# Altium PCB jetson-orin-baseboard.PcbDoc (part 1 of 4)
Units mm, origin at the board's own origin, x right, y up, seen from the top; angles counter-clockwise.
Board outline 120 x 60 mm, 8 copper layers (F.Cu, In1.Cu, In2.Cu, In3.Cu, In4.Cu, In5.Cu, In6.Cu, B.Cu); 670 components, 640 nets, 2806 pads, 0 vias.
Unrouted connection lines stored in the file: 1646.
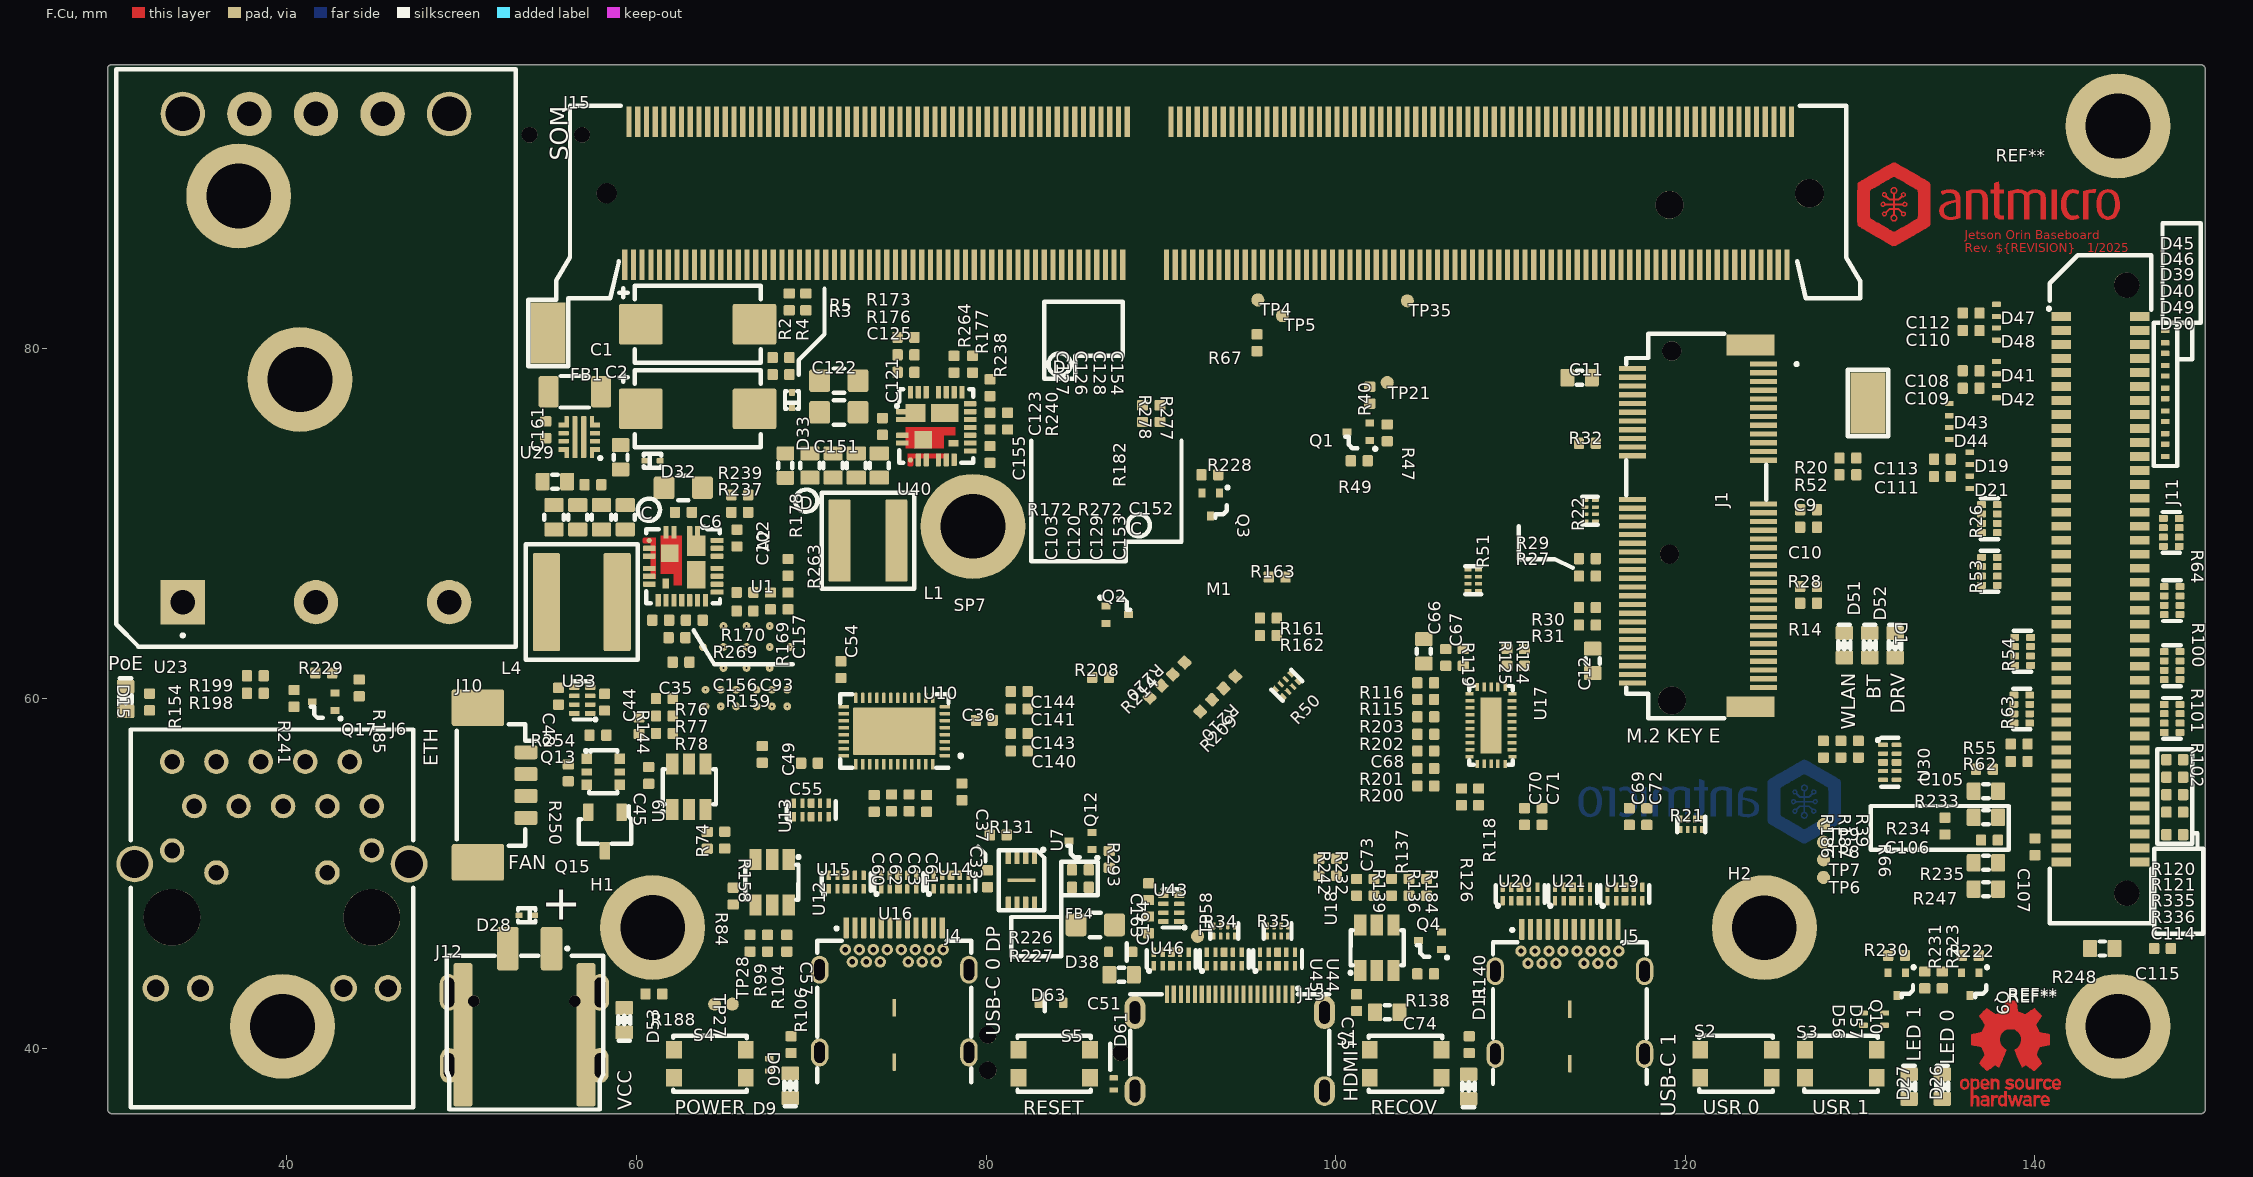
[diagram p0: F.Cu view]
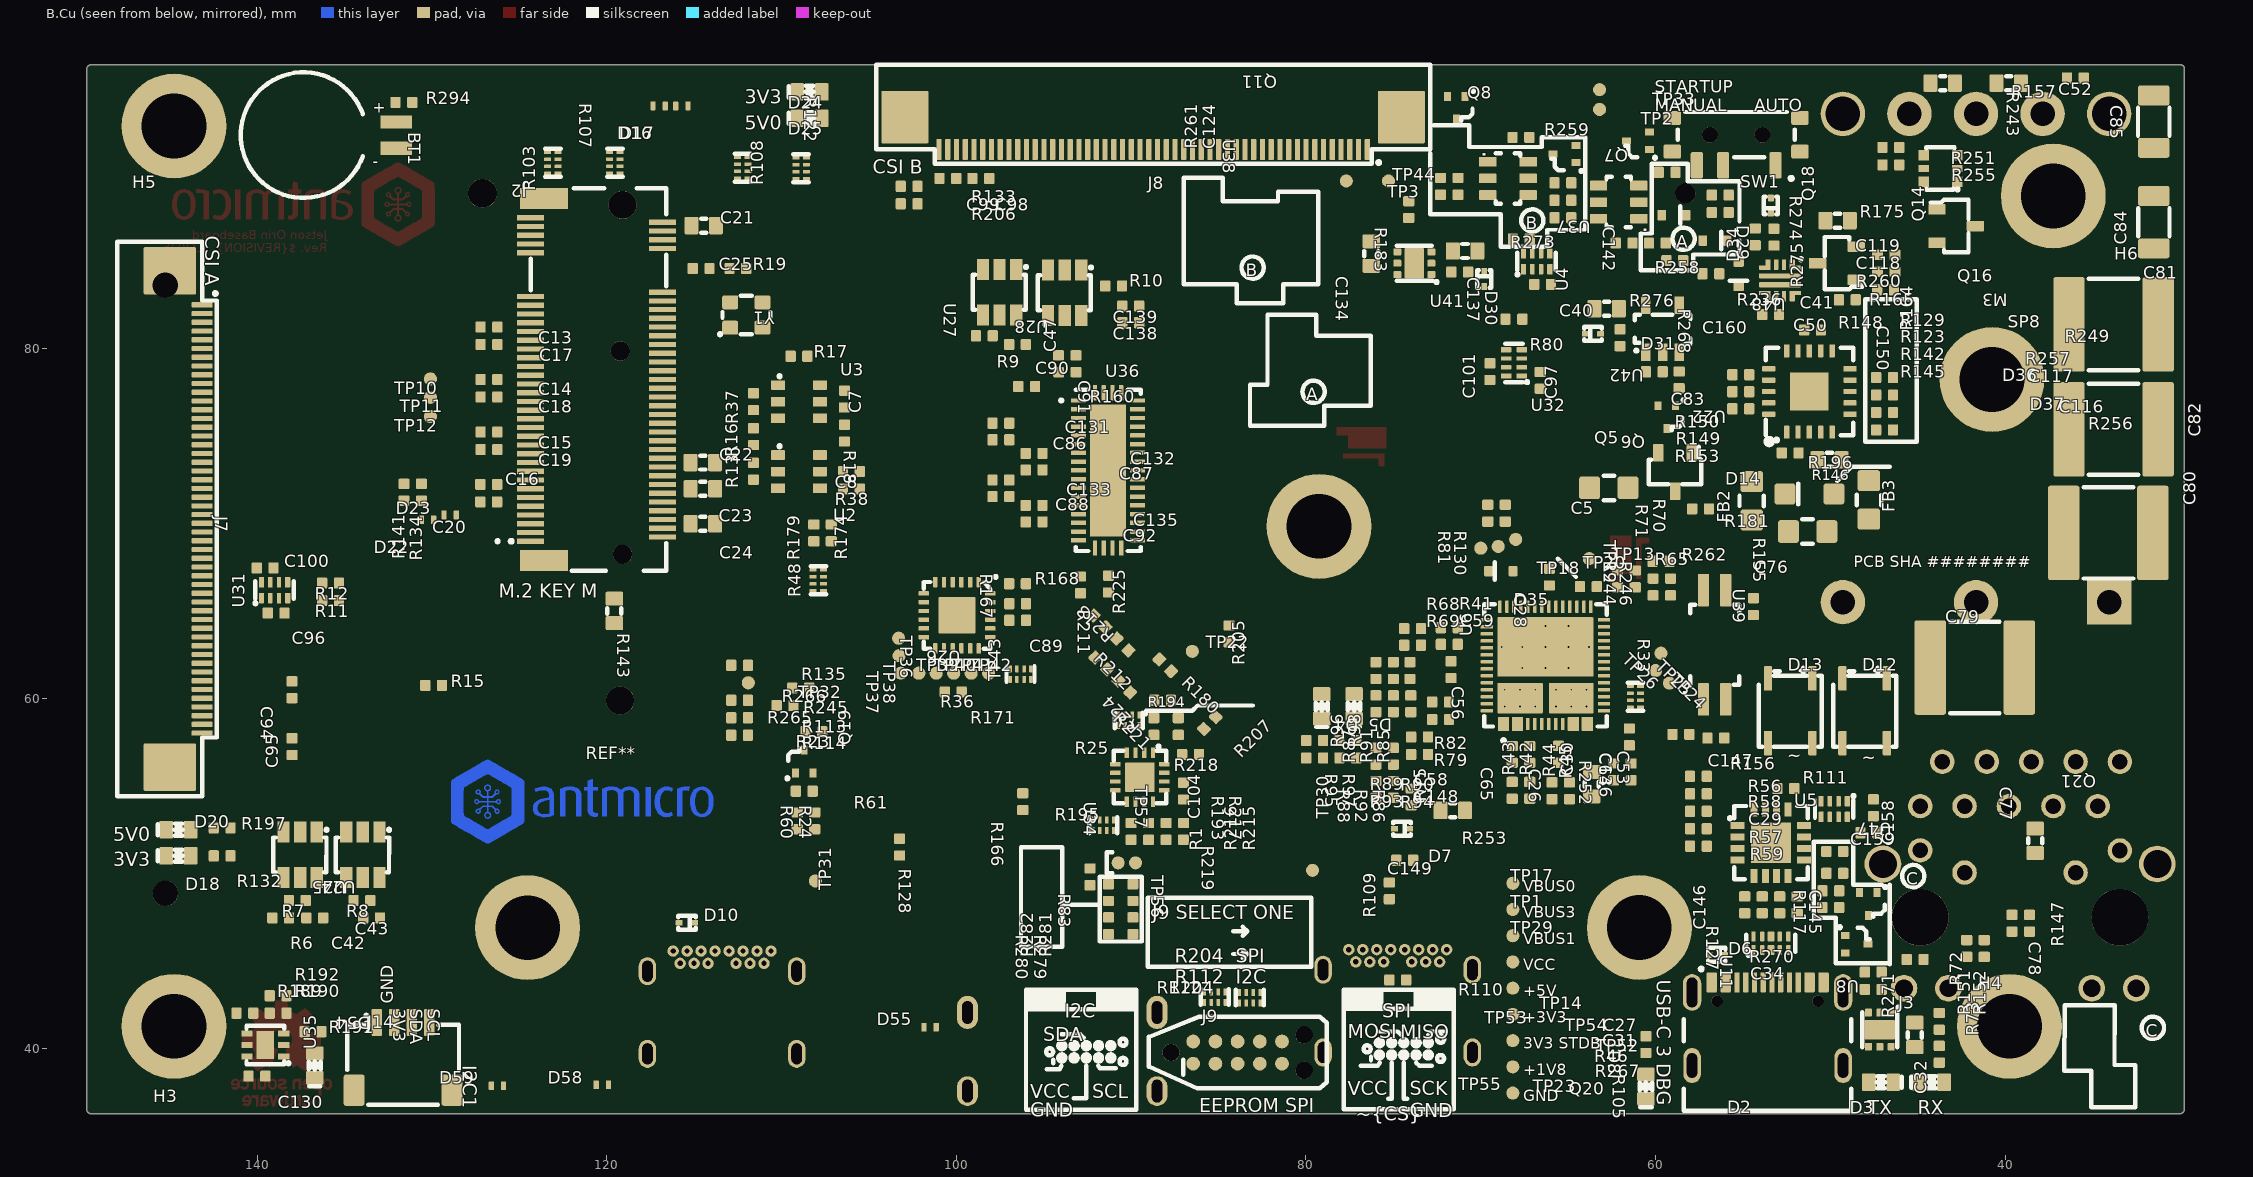
[diagram p1: B.Cu view, seen from below]

## Layer stack, top to bottom
F.Mask: solder mask 0.0102, Solder Resist, Dk 3.5
F.Cu: signal copper 0.0356
Dielectric 1: dielectric 0.32, FR-4, Dk 4.8
In1.Cu: signal copper 0.0356
Dielectric2: dielectric 0.32, FR-4, Dk 4.8
In2.Cu: signal copper 0.0356
Dielectric3: dielectric 0.32, FR-4, Dk 4.8
In3.Cu: signal copper 0.0356
Dielectric4: dielectric 0.32, FR-4, Dk 4.8
In4.Cu: signal copper 0.0356
Dielectric5: dielectric 0.32, FR-4, Dk 4.8
In5.Cu: signal copper 0.0356
Dielectric6: dielectric 0.32, FR-4, Dk 4.8
In6.Cu: signal copper 0.0356
Dielectric7: dielectric 0.32, FR-4, Dk 4.8
B.Cu: signal copper 0.0356
B.Mask: solder mask 0.0102, Solder Resist, Dk 3.5

## Board outline
29.75,36.5 29.75,96.05 cw(c29.95,96.05) 29.95,96.25 149.5,96.25 cw(c149.5,96) 149.75,96 149.75,36.5 cw(c149.5,36.5) 149.5,36.25 30,36.25 cw(c30,36.5)

## Design rules (kind name [scope] priority, off if disabled: settings)
Clearance "Clearence 0.5_PadClass" [InPadClass('Pad Class Clearance 0.5')] p1: gap=0.5 ignorepadtopadclearanceinfootprint=FALSE
MinimumSolderMaskSliver [All] p1: minsoldermaskwidth=0
PolygonConnect [All] p1: connectstyle=Direct reliefconductorwidth=0.254 reliefentries=4 polygonreliefangle="90 Angle" airgapwidth=0.254
RoutingVias [All] p1: holewidth=0.711 width=1.27 viastyle="Through Hole" minholewidth=0.711 minwidth=1.27 maxholewidth=0.711 maxwidth=1.27
SilkToSilkClearance [All] p1: silktosilkclearance=0
SilkToSolderMaskClearance [IsPad] p1: minsilkscreentomaskgap=0 clearancetoexposedcopper=TRUE
SolderMaskExpansion [All] p1: expansion=0.102 istentingtop=FALSE
SupplyNets "Schematic Supply Nets_7" [InNet('GND')] p1: voltage=0.000
SupplyNets "Schematic Supply Nets_6" [InNet('+3V3')] p2: voltage=0.000
SupplyNets "Schematic Supply Nets_5" [InNet('VDD_SoM')] p3: voltage=0.000
SupplyNets "Schematic Supply Nets_4" [InNet('+5V_SoM')] p4: voltage=0.000
SupplyNets "Schematic Supply Nets_3" [InNet('VCC')] p5: voltage=0.000
SupplyNets "Schematic Supply Nets_2" [InNet('GNDD')] p6: voltage=0.000
SupplyNets "Schematic Supply Nets_1" [InNet('+1V8')] p7: voltage=0.000
SupplyNets "Schematic Supply Nets" [InNet('+5V')] p8: voltage=0.000
Width [All] p1: maxlimit=10 minlimit=0.254 preferedwidth=0.254 midlayer6_maxwidth=0.254 minimp=50.000000 maximp=50.000000 favimp=50.000000
27 further rules are at their usual default settings.

## Classes and differential pairs
component class usb: C26 C27 C28 C29 C30 C31 C32 C33 C34 C35 C36 C37 C45 C49 C53 C54 C55 C56 C57 C58 C59 C60 C61 C62 C63 C64 C65 C136 C140 C141 C143 C144 C145 C146 C147 C148 C149 C158 C159 D2 D3 D4 D5 D6 D7 D8 D9 D35 J3 J4 Q20 Q21 R33 R41 R42 R43 R44 R45 R46 R56 R57 R58 R59 R65 R68 R69 R70 R71 R72 R73 R74 R75 R76 R77 R78 R79 R81 R82 R83 R84 R85 R86 R87 R88 R89 R90 R91 R92 R93 R94 R95 R96 R97 R98 R99 R104 R105 R106 R109 R110 R111 R117 R127 R130 R131 R144 R158 R205 R207 R244 R246 R262 R267 R270 R271 TP1 TP13 TP17 TP18 TP19 TP20 TP24 TP25 TP26 TP27 TP28 TP30 U5 U6 U7 U8 U9 U10 U11 U12 U13 U14 U15 U16 U47
component class usb3: C66 C67 C68 C69 C70 C71 C72 C73 C74 C75 D10 D11 J5 Q4 Q19 R23 R24 R60 R61 R113 R114 R115 R116 R118 R119 R124 R125 R126 R128 R135 R136 R137 R138 R139 R140 R184 R200 R201 R202 R203 R245 R265 R266 TP29 TP31 TP32 U17 U18 U19 U20 U21
component class supply: C5 C6 C50 C83 C93 C102 C103 C116 C117 C118 C119 C120 C121 C122 C123 C124 C125 C126 C127 C128 C129 C134 C137 C142 C150 C151 C152 C153 C154 C155 C156 C157 C160 C161 D28 D29 D30 D31 D32 D33 D36 D37 D53 D60 D61 J12 L1 L4 Q5 Q6 Q7 Q8 Q11 Q13 Q14 Q15 Q16 Q18 R159 R164 R165 R169 R170 R172 R173 R175 R176 R177 R178 R181 R182 R183 R188 R236 R237 R238 R239 R240 R249 R250 R251 R252 R253 R254 R255 R256 R257 R258 R259 R260 R261 R263 R264 R268 R269 R272 R273 R274 R275 R276 S4 S5 SW1 TP14 TP23 TP33 TP52 TP53 TP54 TP55 U1 U29 U37 U38 U40 U41 U42 U48
component class som: BT1 C1 C2 C40 C41 D34 D55 FB1 H1 H2 J15 M1 R1 R2 R3 R4 R5 R11 R12 R80 R294 S1 TP2 TP3 TP4 TP5 TP35 TP44 U4
component class peripherals: C44 C48 C104 C105 C106 C107 C108 C109 C110 C111 C112 C113 C114 C115 C130 D16 D17 D19 D21 D22 D23 D26 D27 D39 D40 D41 D42 D43 D44 D45 D46 D47 D48 D49 D50 D54 D56 D57 D58 D59 D63 J9 J10 J11 J14 Q9 Q10 R25 R26 R53 R54 R55 R62 R63 R64 R100 R101 R102 R112 R120 R121 R134 R141 R189 R190 R191 R192 R195 R204 R215 R216 R217 R218 R219 R222 R223 R230 R231 R232 R233 R234 R235 R242 R247 R248 R335 R336 S2 S3 U30 U33 U34 U35
component class m-2: A2 C7 C8 C9 C10 C11 C12 C13 C14 C15 C16 C17 C18 C19 C20 C21 C22 C23 C24 C25 D1 D51 D52 J1 J2 M3 R13 R14 R15 R16 R17 R18 R19 R20 R21 R22 R27 R28 R29 R30 R31 R32 R37 R38 R39 R52 R143 R186 R187 SP7 SP8 TP6 TP7 TP8 TP9 TP10 TP11 TP12 U2 U3 Y1
component class jetson-orin-baseboard: H3 H4 H5 H6
component class hdmi: C47 C51 C86 C87 C88 C92 C131 C132 C133 C135 C138 C139 C163 C164 D38 FB4 J13 Q1 Q2 Q3 Q12 R34 R35 R40 R47 R49 R160 R208 R209 R210 R211 R212 R213 R214 R220 R221 R224 R225 R226 R227 R228 R277 R278 R279 R280 R281 R282 R293 TP21 TP22 TP56 TP57 TP58 U36 U43 U44 U45 U46
component class ethernet: C52 C76 C77 C78 C79 C80 C81 C82 C84 C85 D12 D13 D14 D15 FB2 FB3 J6 Q17 R123 R129 R142 R145 R146 R147 R148 R149 R150 R151 R152 R153 R154 R155 R156 R157 R185 R196 R198 R199 R229 R241 R243 U22 U23 U39
component class csi: C42 C43 C89 C90 C91 C94 C95 C96 C97 C98 C99 C100 C101 D18 D20 D24 D25 J7 J8 R6 R7 R8 R9 R10 R36 R48 R50 R51 R66 R67 R103 R107 R108 R122 R132 R133 R161 R162 R163 R166 R167 R168 R171 R174 R179 R180 R193 R194 R197 R206 TP36 TP37 TP38 TP39 TP40 TP41 TP42 TP43 U24 U25 U26 U27 U28 U31 U32

## Components (designator, comment, footprint, x,y, rotation, side; value= is the part's Value field where it differs from the comment)
A2 "Mech_M2_2242_H2.5mm" Mech_M2_2242_H2.5mm 190.373,113.919 r0 top
A2 "Comment" Mech_M2_2242_H2.5mm 79.25,69.85 r90 top value=Mech_M2_2242_H2.5mm
BT1 "MS621FE-FL11E" MS621FE-FL11E 136.098,92.23 r90 bottom
C1 "T521D107M025ATE040" C_Pol_EIA-X 63.505,81.41 r0 top
C2 "T521D107M025ATE040" C_Pol_EIA-X 63.505,76.57 r0 top
C5 "CL21A226MAYNNNE" C_0805_2012Metric#1 62.675,72.05 r180 bottom
C6 "GRM155R61H104KE14D" C_0402_1005Metric#1 62.69,70.65 r180 top
C7 "GRM155R61H104KE14D" C_0402_1005Metric#2 106.4,77.13 r270 bottom
C8 "GRM155R61H104KE14D" C_0402_1005Metric#2 106,72.98 r0 bottom
C9 "CC0402KRX5R6BB224" C_0402_1005Metric#1 127.05,70.8 r180 top
C10 "CC0402KRX5R6BB224" C_0402_1005Metric#1 127.05,69.8 r180 top
C11 "GRM188R61A106KE69D" C_0603_1608Metric#1 113.95,78.35 r180 top
C12 "GRM188R61A106KE69D" C_0603_1608Metric#1 114.7,62.15 r90 top
C13 "CC0402KRX5R6BB224" C_0402_1005Metric#2 126.735,81.25 r180 bottom
C14 "CC0402KRX5R6BB224" C_0402_1005Metric#2 126.735,78.25 r180 bottom
C15 "CC0402KRX5R6BB224" C_0402_1005Metric#2 126.735,75.25 r180 bottom
C16 "CC0402KRX5R6BB224" C_0402_1005Metric#2 126.75,72.25 r180 bottom
C17 "CC0402KRX5R6BB224" C_0402_1005Metric#2 126.735,80.25 r180 bottom
C18 "CC0402KRX5R6BB224" C_0402_1005Metric#2 126.735,77.25 r180 bottom
C19 "CC0402KRX5R6BB224" C_0402_1005Metric#2 126.735,74.25 r180 bottom
C20 "CC0402KRX5R6BB224" C_0402_1005Metric#2 126.75,71.25 r180 bottom
C21 "GRM188R61A106KE69D" C_0603_1608Metric#2 114.45,87.05 r0 bottom
C22 "GRM188R61A106KE69D" C_0603_1608Metric#2 114.5,73.5 r0 bottom
C23 "GRM188R61A106KE69D" C_0603_1608Metric#2 114.5,72 r0 bottom
C24 "GRM188R61A106KE69D" C_0603_1608Metric#2 114.5,70 r0 bottom
C25 "GRM155R61H104KE14D" C_0402_1005Metric#2 114.6,84.6 r180 bottom
C26 "GRM155R61H104KE14D" C_0402_1005Metric#2 67.2,56.8 r90 bottom
C27 "GRM155R61H104KE14D" C_0402_1005Metric#2 49.75,51.25 r0 bottom
C28 "CC0402MRX5R5BB106" C_0402_1005Metric#2 66.075,66.95 r90 bottom
C29 "GRM155R61H104KE14D" C_0402_1005Metric#2 57.55,53.55 r180 bottom
C30 "CC0402MRX5R5BB106" C_0402_1005Metric#2 65.55,56.813 r270 bottom
C31 "GRM155R61H104KE14D" C_0402_1005Metric#2 49.75,50 r0 bottom
C32 "C1608X5R1E106M080AC" C_0603_1608Metric#2 45.175,40.755 r270 bottom
C33 "GRM155R61H104KE14D" C_0402_1005Metric#1 80.08,49.69 r270 top
C34 "CC0402MRX5R5BB106" C_0402_1005Metric#2 47.55,43.36 r0 bottom
C35 "CC0402MRX5R5BB106" C_0402_1005Metric#1 62.55,62.075 r180 top
C36 "GRM155R61H104KE14D" C_0402_1005Metric#1 79.9,58.75 r0 top
C37 "GRM155R61H104KE14D" C_0402_1005Metric#1 78.62,54.66 r270 top
C40 "GRM155R61H104KE14D" C_0402_1005Metric#2 66.46,83.69 r0 bottom
C41 "GRM155R61H104KE14D" C_0402_1005Metric#2 67.68,86.29 r0 bottom
C42 "GRM155R61H104KE14D" C_0402_1005Metric#2 136.7,47.45 r180 bottom
C43 "GRM155R61H104KE14D" C_0402_1005Metric#2 133.45,47.45 r180 bottom
C44 "GRM155R61H104KE14D" C_0402_1005Metric#1 58.18,59.79 r90 top
C45 "GRM155R61H104KE14D" C_0402_1005Metric#1 60.7,55.6 r270 top
C47 "C1005X6S1A105K050BC" C_0402_1005Metric#2 94.15,79.15 r270 bottom
C48 "GRM155R61H104KE14D" C_0402_1005Metric#1 55.54,60.13 r270 top
C49 "CC0402MRX5R5BB106" C_0402_1005Metric#1 67.2,56.8 r90 top
C50 "GRM155R61H104KE14D" C_0402_1005Metric#2 49.03,82.81 r180 bottom
C51 "GRM188R61A106KE69D" C_0603_1608Metric#1 87.75,44.2 r180 top
C52 "GRM155R61H104KE14D" C_0402_1005Metric#2 35.985,95.5 r0 bottom
C53 "GRM155R61H104KE14D" C_0402_1005Metric#2 61.4,55.8 r90 bottom
C54 "GRM155R61H104KE14D" C_0402_1005Metric#1 71.7,61.65 r90 top
C55 "GRM155R61H104KE14D" C_0402_1005Metric#1 69.9,56.3 r180 top
C56 "CC0402MRX5R5BB106" C_0402_1005Metric#2 71.7,61.65 r90 bottom
C57 "GRM155R61H104KE14D" C_0402_1005Metric#1 68.6,46 r270 top
C58 "GRM155R61H104KE14D" C_0402_1005Metric#2 73.5,57.8 r180 bottom
C59 "CC0402MRX5R5BB106" C_0402_1005Metric#2 71.8,63.1 r180 bottom
C60 "GRM155R61H104KE14D" C_0402_1005Metric#1 73.6,54 r270 top
C61 "GRM155R61H104KE14D" C_0402_1005Metric#1 76.6,54 r270 top
C62 "GRM155R61H104KE14D" C_0402_1005Metric#1 74.6,54.033 r270 top
C63 "GRM155R61H104KE14D" C_0402_1005Metric#1 75.6,54.033 r270 top
C64 "GRM155R61H104KE14D" C_0402_1005Metric#2 61.5,57.8 r90 bottom
C65 "GRM155R61H104KE14D" C_0402_1005Metric#2 68.2,56.8 r90 bottom
C66 "GRM188R61A106KE69D" C_0603_1608Metric#1 105.05,62.7 r90 top
C67 "GRM155R61H104KE14D" C_0402_1005Metric#1 106.3,62.35 r90 top
C68 "GRM155R61H104KE14D" C_0402_1005Metric#1 105.155,57 r180 top
C69 "GRM155R61H104KE14D" C_0402_1005Metric#1 116.8,53.25 r90 top
C70 "GRM155R61H104KE14D" C_0402_1005Metric#1 110.8,53.25 r90 top
C71 "GRM155R61H104KE14D" C_0402_1005Metric#1 111.8,53.25 r90 top
C72 "GRM155R61H104KE14D" C_0402_1005Metric#1 117.8,53.25 r90 top
C73 "GRM155R61H104KE14D" C_0402_1005Metric#1 101.2,49.2 r90 top
C74 "GRM188R61A106KE69D" C_0603_1608Metric#1 102.95,42.05 r180 top
C75 "GRM155R61H104KE14D" C_0402_1005Metric#1 101.2,42.6 r270 top
C76 "CL21B104KCFNNNE" C_0805_2012Metric#1 51.3,69.55 r180 bottom
C77 "06031C103JAT2A" C_0603_1608Metric#2 38.29,51.86 r270 bottom
C78 "GRM155R61H104KE14D" C_0402_1005Metric#2 39.608,47.144 r90 bottom
C79 "C5750X7S2A226M280KB" C_2220_5650Metric 41.74,61.77 r0 bottom
C80 "C5750X7S2A226M280KB" C_2220_5650Metric 34.1,69.475 r0 bottom
C81 "C5750X7S2A226M280KB" C_2220_5650Metric 33.8,81.4 r0 bottom
C82 "C5750X7S2A226M280KB" C_2220_5650Metric 33.8,75.4 r0 bottom
C83 "CC0402MRX5R5BB106" C_0402_1005Metric#2 60.07,78.69 r0 bottom
C84 "C3216X5R1C476M160AB" C_1206_3216Metric 31.5,87.25 r270 bottom
C85 "C3216X5R1C476M160AB" C_1206_3216Metric 31.5,93 r90 bottom
C86 "GRM155R61H104KE14D" C_0402_1005Metric#2 97.45,74.8 r180 bottom
C87 "GRM155R61H104KE14D" C_0402_1005Metric#2 95.55,73.075 r180 bottom
C88 "GRM155R61H104KE14D" C_0402_1005Metric#2 97.45,71.55 r180 bottom
C89 "GRM155R61H104KE14D" C_0402_1005Metric#2 96.49,64.475 r180 bottom
C90 "GRM155R61H104KE14D" C_0402_1005Metric#2 96.5,80.25 r180 bottom
C91 "GRM155R61H104KE14D" C_0402_1005Metric#2 93.15,79.15 r90 bottom
C92 "GRM155R61H104KE14D" C_0402_1005Metric#2 95.55,70.1 r180 bottom
C93 "C1005X6S1A105K050BC" C_0402_1005Metric#1 63.31,64.48 r180 top
C94 "C1005X6S1A105K050BC" C_0402_1005Metric#2 138,60.5 r90 bottom
C95 "C1005X6S1A105K050BC" C_0402_1005Metric#2 138,57.25 r270 bottom
C96 "GRM155R61H104KE14D" C_0402_1005Metric#2 138.91,64.89 r0 bottom
C97 "GRM155R61H104KE14D" C_0402_1005Metric#2 66.6,78.2 r270 bottom
C98 "C1005X6S1A105K050BC" C_0402_1005Metric#2 98.6,89.75 r180 bottom
C99 "C1005X6S1A105K050BC" C_0402_1005Metric#2 100.485,89.75 r180 bottom
C100 "GRM155R61H104KE14D" C_0402_1005Metric#2 139.54,67.47 r0 bottom
C101 "GRM155R61H104KE14D" C_0402_1005Metric#2 69.475,78.7 r270 bottom
C102 "GRM155R61H104KE14D" C_0402_1005Metric#1 65.75,69.18 r270 top
C103 "CL10A226MO7JZNC" C_0603_1608Metric_EIA 55.28,70.37 r90 top
C104 "GRM155R61H104KE14D" C_0402_1005Metric#2 87,54.7 r270 bottom
C105 "C1005X6S1A105K050BC" C_0402_1005Metric#1 137.115,55.95 r0 top
C106 "C1005X6S1A105K050BC" C_0402_1005Metric#1 137.4,51.9 r0 top
C107 "C1005X6S1A105K050BC" C_0402_1005Metric#1 140,51.515 r270 top
C108 "CC0402KRX5R6BB224" C_0402_1005Metric#1 136.35,78.75 r180 top
C109 "CC0402KRX5R6BB224" C_0402_1005Metric#1 136.35,77.75 r180 top
C110 "CC0402KRX5R6BB224" C_0402_1005Metric#1 136.35,81.05 r180 top
C111 "GRM155R61H104KE14D" C_0402_1005Metric#1 134.71,72.7 r180 top
C112 "CC0402KRX5R6BB224" C_0402_1005Metric#1 136.35,82.05 r180 top
C113 "GRM155R61H104KE14D" C_0402_1005Metric#1 134.71,73.69 r180 top
C114 "C1005X6S1A105K050BC" C_0402_1005Metric#1 148,52.21 r0 top
C115 "C1005X6S1A105K050BC" C_0402_1005Metric#1 147.3,45.7 r0 top
C116 "CC0402MRX5R5BB106" C_0402_1005Metric#2 59.9,86.05 r180 bottom
C117 "CC0402MRX5R5BB106" C_0402_1005Metric#2 56.3,87.8 r180 bottom
C118 "GRM155R61H104KE14D" C_0402_1005Metric#2 65.3,88.5 r0 bottom
C119 "GRM155R61H104KE14D" C_0402_1005Metric#2 65.3,89.5 r180 bottom
C120 "CL10A226MO7JZNC" C_0603_1608Metric_EIA 56.64,70.37 r90 top
C121 "GRM155R61H104KE14D" C_0402_1005Metric#1 74.07,75.56 r270 top
C122 "CL21A226MAYNNNE" C_0805_2012Metric#2 71.58,78.18 r0 top
C123 "C1005X6S1A105K050BC" C_0402_1005Metric#1 80.23,75.87 r270 top
C124 "GRM155R61H104KE14D" C_0402_1005Metric#2 71.3,89.3 r270 bottom
C125 "GRM155R61H104KE14D" C_0402_1005Metric#1 75.42,78.66 r0 top
C126 "CL10A226MO7JZNC" C_0603_1608Metric_EIA 71.25,73.33 r270 top
C127 "CL10A226MO7JZNC" C_0603_1608Metric_EIA 69.925,73.33 r270 top
C128 "CL10A226MO7JZNC" C_0603_1608Metric_EIA 72.575,73.33 r270 top
C129 "CL10A226MO7JZNC" C_0603_1608Metric_EIA 58,70.37 r90 top
C130 "GRM155R61H104KE14D" C_0402_1005Metric#2 140.01,38.4 r0 bottom
C131 "GRM155R61H104KE14D" C_0402_1005Metric#2 97.45,75.75 r180 bottom
C132 "GRM155R61H104KE14D" C_0402_1005Metric#2 95.55,74.025 r180 bottom
C133 "GRM155R61H104KE14D" C_0402_1005Metric#2 97.45,72.5 r180 bottom
C134 "C1608X5R1E106M080AC" C_0603_1608Metric#2 76.26,85.45 r90 bottom
C135 "GRM155R61H104KE14D" C_0402_1005Metric#2 95.55,71.05 r180 bottom
C136 "GRM155C61E475ME15J" C_0402_1005Metric#2 62.4,55.8 r90 bottom
C137 "CC0402MRX5R5BB106" C_0402_1005Metric#2 71.2,84.4 r0 bottom
C138 "GRM155R61H104KE14D" C_0402_1005Metric#2 90.025,81.5 r180 bottom
C139 "GRM155R61H104KE14D" C_0402_1005Metric#2 90.025,82.45 r180 bottom
C140 "GRM155R61H104KE14D" C_0402_1005Metric#1 81.9,57 r180 top
C141 "GRM155R61H104KE14D" C_0402_1005Metric#1 81.9,59.4 r180 top
C142 "C1005X6S1A105K050BC" C_0402_1005Metric#2 62.03,80.64 r270 bottom
C143 "GRM155R61H104KE14D" C_0402_1005Metric#1 81.9,58 r180 top
C144 "GRM155R61H104KE14D" C_0402_1005Metric#1 81.9,60.4 r180 top
C145 "C0402C470J5GACTU" C_0402_1005Metric#2 51.9,48.2 r90 bottom
C146 "C0402C470J5GACTU" C_0402_1005Metric#2 54.9,48.2 r270 bottom
C147 "GRM155R61E105KE11J" C_0402_1005Metric#2 58.55,57.95 r0 bottom
C148 "GRM155C61E475ME15J" C_0402_1005Metric#2 73.5,56.8 r180 bottom
C149 "GRM155R61E105KE11J" C_0402_1005Metric#2 74.35,50.75 r0 bottom
C150 "GRM155R61E105KE11J" C_0402_1005Metric#2 47.3,84.9 r270 bottom
C151 "CL21A226MAYNNNE" C_0805_2012Metric#2 71.58,76.37 r0 top
C152 "CL21A226MAYNNNE" C_0805_2012Metric#2 62.68,72.05 r0 top
C153 "CL10A226MO7JZNC" C_0603_1608Metric_EIA 59.36,70.37 r90 top
C154 "CL10A226MO7JZNC" C_0603_1608Metric_EIA 73.89,73.33 r270 top
C155 "GRM155C61E475ME15J" C_0402_1005Metric#1 80.23,73.96 r270 top
C156 "GRM155C61E475ME15J" C_0402_1005Metric#1 61.39,64.48 r180 top
C157 "GRM155R61H104KE14D" C_0402_1005Metric#1 68.67,65.58 r270 top
C158 "GRM155R61H104KE14D" C_0402_1005Metric#2 47.54,53.75 r90 bottom
C159 "GRM155R61H104KE14D" C_0402_1005Metric#2 47.8,52.32 r0 bottom
C160 "GRM1555C1H102JA01D" C_0402_1005Metric#2 53.42,81.97 r180 bottom
C161 "GRM1555C1H102JA01D" C_0402_1005Metric#1 54.81,75.375 r90 top
C163 "GRM155R61H104KE14D" C_0402_1005Metric#1 89.3,48.95 r270 top
C164 "GRM155R61H104KE14D" C_0402_1005Metric#1 89.3,47.05 r90 top
D1 "LTST-C190GKT" LED_0603_1608Metric_G#1 132,63.05 r270 top
D2 "LTST-C190GKT" LED_0603_1608Metric_G#2 47.1,38.05 r180 bottom
D3 "LTST-C190GKT" LED_0603_1608Metric_G#2 44.2,38.05 r0 bottom
D4 "LTST-C190GKT" LED_0603_1608Metric_G#2 79.1,59.55 r270 bottom
D5 "LTST-C190GKT" LED_0603_1608Metric_G#2 77.25,59.55 r270 bottom
D6 "DF2S30FS" SOD-923#1 56.5,45.33 r180 bottom
D7 "DF2S30FS" SOD-923#1 74.5,52.55 r180 bottom
D8 "LTST-C190GKT" LED_0603_1608Metric_G#2 60.55,37.8 r270 bottom
D9 "LTST-C190GKT" LED_0603_1608Metric_G#1 68.8,37.85 r90 top
D10 "ESD9X5.0ST5G" SOD-923#1 115.418,47.175 r180 bottom
D11 "LTST-C190GKT" LED_0603_1608Metric_G#1 107.6,37.8 r90 top
D12 "CD-MMBL110S" DFN3538 48.04,59.3 r0 bottom
D13 "CD-MMBL110S" DFN3538 52.3,59.3 r0 bottom
D14 "PTVS58VS1UR,115" D_SOD-123F 51.2,71.7 r0 bottom
D15 "LTST-C190GKT" LED_0603_1608Metric_G#1 30.775,59.975 r270 top
D16 "TPD1E0B04DPYR" XDFN-2_1x0.60mm#1 117,93.9 r180 bottom
D17 "TPD1E0B04DPYR" XDFN-2_1x0.60mm#1 115.7,93.9 r0 bottom
D18 "LTST-C190GKT" LED_0603_1608Metric_G#2 144.5,51 r0 bottom
D19 "TPD1E0B04DPYR" XDFN-2_1x0.60mm#2 136.27,73.74 r90 top
D20 "LTST-C190GKT" LED_0603_1608Metric_G#2 144.5,52.5 r0 bottom
D21 "TPD1E0B04DPYR" XDFN-2_1x0.60mm#2 136.27,72.37 r270 top
D22 "TPD1E0B04DPYR" XDFN-2_1x0.60mm#1 130.25,70.22 r180 bottom
D23 "TPD1E0B04DPYR" XDFN-2_1x0.60mm#1 128.95,70.5 r0 bottom
D24 "LTST-C190GKT" LED_0603_1608Metric_G#2 108.4,94.7 r0 bottom
D25 "LTST-C190GKT" LED_0603_1608Metric_G#2 108.4,93.2 r0 bottom
D26 "LTST-C190GKT" LED_0603_1608Metric_G#1 134.7,37.8 r270 top
D27 "LTST-C190GKT" LED_0603_1608Metric_G#1 132.8,37.8 r270 top
D28 "DF2S30FS" SOD-923#2 53.725,47.6 r180 top
D29 "DF2S30FS" SOD-923#1 53.4,88.2 r270 bottom
D30 "ESD9X5.0ST5G" SOD-923#1 69.8,84 r90 bottom
D31 "ESD9X5.0ST5G" SOD-923#1 63.58,80.86 r0 bottom
D32 "ESD9X5.0ST5G" SOD-923#2 60.925,73.6 r0 top
D33 "ESD9X5.0ST5G" SOD-923#2 68.9,77.075 r90 top
D34 "RB521S30T1G" SOD-523#1 55.25,84.25 r270 bottom
D35 "RB521S30T1G" SOD-523#1 68.85,67.29 r0 bottom
D36 "RB521S30T1G" SOD-523#1 58.95,87.65 r180 bottom
D37 "RB521S30T1G" SOD-523#1 56.6,86.2 r180 bottom
D38 "RB521S30T1G" SOD-523#2 87.7,45.5 r180 top
D39 "TPD1E0B04DPYR" XDFN-2_1x0.60mm#2 147.45,78.1 r90 top
D40 "TPD1E0B04DPYR" XDFN-2_1x0.60mm#2 147.45,76.8 r270 top
D41 "TPD1E0B04DPYR" XDFN-2_1x0.60mm#2 137.8,78.93 r90 top
D42 "TPD1E0B04DPYR" XDFN-2_1x0.60mm#2 137.8,77.55 r270 top
D43 "TPD1E0B04DPYR" XDFN-2_1x0.60mm#2 135.1,76.53 r90 top
D44 "TPD1E0B04DPYR" XDFN-2_1x0.60mm#2 135.1,75.159 r270 top
D45 "TPD1E0B04DPYR" XDFN-2_1x0.60mm#2 147.45,80.7 r90 top
D46 "TPD1E0B04DPYR" XDFN-2_1x0.60mm#2 147.45,79.4 r270 top